# KiCad board analog_frontend_panel.kicad_pcb (continued)
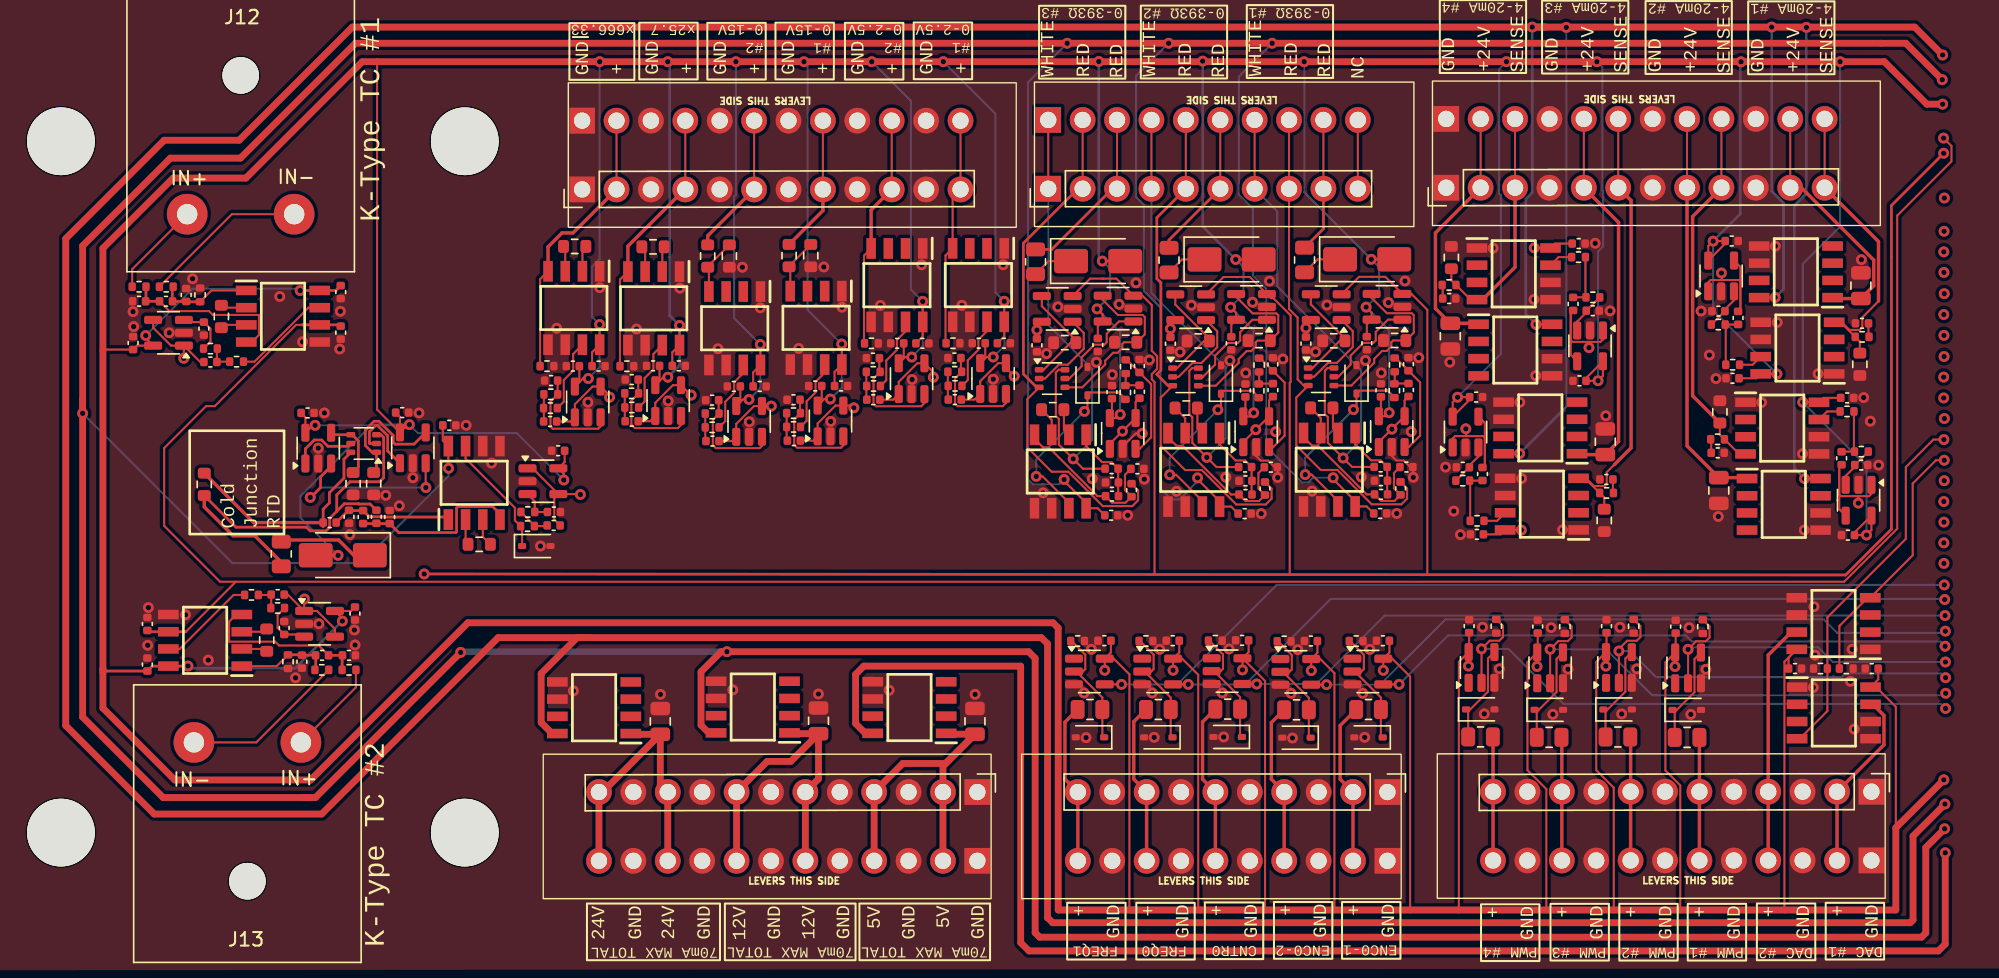
[diagram p0: board, top side]
## Library data of the parts (continued)
R6 R11 R40 R49 R58 R67 R23002 R31001 R45003 = -: LCSC: C346578; ki_fp_filters: R_*
R22 R24 R26 R28 = -: LCSC: C25087; ki_fp_filters: R_*
R23 R25 R27 R29 R32003 = -: LCSC: C2482496; ki_fp_filters: R_*
R44 R47 R53 R56 R62 R65 R71 R74 R23001 R45004 = -: LCSC: C2482678; ki_fp_filters: R_*
R5001 R5002 R8001 R8002 R9001 R9002 = -: LCSC: C25744; ki_fp_filters: R_*
R14001 R14002 R20001 R20002 = -: LCSC: C25741; ki_fp_filters: R_*
R15001 R15002 R16001 R16002 R17001 R17002 R18001 R18002 R21001 R21002 R24001 R24002 R25001 R25002 R30001 R30002 R32001 R32002 R33001 R33002 R44001 R44002 = -: LCSC: C25890; ki_fp_filters: R_*
R19002 R26002 R27002 R33004 R38001 R39001 R39003 R40001 R42001 = -: LCSC: C17720; ki_fp_filters: R_*
U1-U4 = -: LCSC: C190019
U5001 U8001 U9001 U14001 U15001 U16001 U17001 U18001 U20001 U21001 U24001 U25001 U30001 U32001 U33001 U44001 = -: Datasheet: http://www.ti.com/lit/ds/symlink/opa333.pdf; Description: Single 1.8V, microPower, CMOS Operational Amplifiers, Zero-Drift Series, SOT-23-5; ki_fp_filters: SOT?23*
U19001 U26001 U27001 U33002 U38001 U39001 U39002 U40001 U42001 = -: Datasheet: https://www.ti.com/lit/ds/symlink/sn74lvc1g17.pdf; Description: Single Schmitt Buffer Gate, Low-Voltage CMOS; LCSC: C7836; ki_fp_filters: SOT?23* SOT?553* Texas?R-PDSO-G5?DCK* Texas?R-PDSO-N5?DRL* Texas?X2SON*0.8x0.8mm*P0.48mm*

## Footprints (pads in the part's own frame, mm; a bottom-side part is the same pattern mirrored in y, then rotated)
AM-K-PCB
  round 2.7 hole 2.7 unplated: (0,-4)
  round 3 hole 1.5: 1(3.95,-14.25) 2(-3.95,-14.25)
C_0402_1005Metric
  rrect 0.56x0.62 smd: 1(-0.48,0) 2(0.48,0)
C_0805_2012Metric
  rrect 1x1.45 smd: 1(-0.95,0) 2(0.95,0)
D_SMA
  rrect 2.5x1.8 smd: 1(-2,0) 2(2,0)
D_SOD-323
  rrect 0.6x0.45 smd: 1(-1.05,0) 2(1.05,0)
KF141V-2.54-10P
  rect 1.9x1.9 hole 1.2: 1(0,0) 1(5.08,0)
  oval 1.9x1.9 hole 1.2: 2(0,-2.54) 2(5.08,-2.54) 3(0,-5.08) 3(5.08,-5.08) 4(0,-7.62) 4(5.08,-7.62) 5(0,-10.16) 5(5.08,-10.16) 6(0,-12.7) 6(5.08,-12.7) 7(0,-15.24) 7(5.08,-15.24) 8(0,-17.78) 8(5.08,-17.78) 9(0,-20.32) 9(5.08,-20.32) 10(0,-22.86) 10(5.08,-22.86)
KF141V-2.54-12P
  rect 1.9x1.9 hole 1.2: 1(0,0) 1(5.08,0)
  oval 1.9x1.9 hole 1.2: 2(0,-2.54) 2(5.08,-2.54) 3(0,-5.08) 3(5.08,-5.08) 4(0,-7.62) 4(5.08,-7.62) 5(0,-10.16) 5(5.08,-10.16) 6(0,-12.7) 6(5.08,-12.7) 7(0,-15.24) 7(5.08,-15.24) 8(0,-17.78) 8(5.08,-17.78) 9(0,-20.32) 9(5.08,-20.32) 10(0,-22.86) 10(5.08,-22.86) 11(0,-25.4) 11(5.08,-25.4) 12(0,-27.94) 12(5.08,-27.94)
MountingHole_5mm
  round 5 hole 5 unplated: (0,0)
R_0402_1005Metric
  rrect 0.54x0.64 smd: 1(-0.51,0) 2(0.51,0)
R_0603_1608Metric
  rrect 0.8x0.95 smd: 1(-0.825,0) 2(0.825,0)
R_0805_2012Metric
  rrect 1.025x1.4 smd: 1(-0.912,0) 2(0.912,0)
SOIC127P600X175-8N
  rect 1.525x0.7 smd: 1(-2.712,1.905) 2(-2.712,0.635) 3(-2.712,-0.635) 4(-2.712,-1.905) 5(2.712,-1.905) 6(2.712,-0.635) 7(2.712,0.635) 8(2.712,1.905)
SOT-23-5
  rrect 1.325x0.6 smd: 1(-1.137,0.95) 2(-1.137,0) 3(-1.137,-0.95) 4(1.137,-0.95) 5(1.137,0.95)
SOT-363_SC-70-6
  rrect 0.65x0.4 smd: 1(-0.95,0.65) 2(-0.95,0) 3(-0.95,-0.65) 4(0.95,-0.65) 5(0.95,0) 6(0.95,0.65)

## Nets
+1V024: C6.2 C12.2 IC1.6 IC2.6
+2V5: IC13.3 IC14.3 IC16.3 IC17.3 IC19.3 IC20.3 IC22.3 IC23.3
+3V3: C4.1 C10.1 C26.2 C29.2 C32.2 C35.2 C55.1 C58.1 C66.1 C69.1 C77.1 C80.1 C88.1 C91.1 C5003.2 C8003.2 C9003.2 C14003.2 C15003.2 C16003.2 C17003.2 C18003.2 C19001.2 C20003.2 C21003.2 C22001.2 C23001.2 C24003.2 C25003.2 C26001.2 C27001.2 C27004.2 C30003.2 C31001.2 C32004.2 C32005.2 C33004.2 C33005.2 C34002.2 C37001.2 C38001.2 C39001.2 C39002.2 C40001.2 C42001.2 C44003.2 C45001.2 D7.2 D8.2 D9.2 D10.2 IC1.8 IC2.8 IC5.8 IC6.8 IC7.8 IC8.8 IC13.5 IC14.5 IC16.5 IC17.5 IC19.5 IC20.5 IC22.5 IC23.5 IC22001.8 IC23001.8 IC27001.8 IC31001.8 IC32002.8 IC34002.8 IC37001.8 IC45001.8 U5001.5 U8001.5 U9001.5 U14001.5 U15001.5 U16001.5 U17001.5 U18001.5 U19001.5 U20001.5 U21001.5 U24001.5 U25001.5 U26001.5 U27001.5 U30001.5 U32001.5 U33001.5 U33002.5 U38001.5 U39001.5 U39002.5 U40001.5 U42001.5 U44001.5
+5V: IC1001.8
+12V: C52.1 C63.1 C74.1 C85.1 IC12.8 IC15.8 IC18.8 IC21.8 IC1003.8
+24V: IC1002.8 IC32001.8 IC33001.8 IC34001.8 IC35001.8
/4-20mA Frontend1/sallen_key_3kHz3/VIN: IC6.7 R30001.1
/4-20mA Frontend2/sallen_key_3kHz3/VIN: IC7.7 R32001.1
/4-20mA Frontend3/sallen_key_3kHz3/VIN: IC8.7 R33001.1
/4-20mA Frontend/sallen_key_3kHz3/VIN: IC5.7 R16001.1
/ain_0-15V_1/sallen_key_3kHz8/VIN: IC23001.7 R24001.1
/ain_0-15V_1/VIN: J1005.6 R23001.2
/ain_0-15V_/sallen_key_3kHz8/VIN: IC45001.7 R44001.1
/ain_0-15V_/VIN: J1005.8 R45004.2
/ain_g1_1/sallen_key_3kHz7/VIN: IC22001.7 R25001.1
/ain_g1_1/VIN: IC22001.4 J1005.10 R22001.1
/ain_g1_/sallen_key_3kHz7/VIN: IC27001.7 R21001.1
/ain_g1_/VIN: IC27001.4 J1005.12 R27003.1
/ain_g25p7_/sallen_key_1kHz2/VIN: IC31001.7 R9001.1
/ain_g25p7_/VIN: IC31001.4 J1005.4 R31002.1
/ain_g666p333_/sallen_key_100Hz1/VIN: IC32002.7 R14001.2
/ain_g666p333_/VIN: IC32002.4 J1005.2 R32004.1
/K-Type TC Amp1/sallen_key_1kHz/VIN: IC2.7 R8001.1
/K-Type TC Amp/sallen_key_1kHz/VIN: IC1.7 R5001.1
/pwm_in_buf1/VIN: J1003.2 R38001.1
/pwm_in_buf2/VIN: J1003.10 R39003.1
/pwm_in_buf3/VIN: J1003.8 R40001.1
/pwm_in_buf4/VIN: J1003.6 R42001.1
/pwm_in_buf/VIN: J1003.4 R39001.1
GND: C1.2 C3.2 C4.2 C6.1 C7.2 C9.2 C10.2 C12.1 C25.2 C26.1 C28.2 C29.1 C31.2 C32.1 C34.2 C35.1 C49.1 C51.2 C52.2 C55.2 C58.2 C60.1 C62.2 C63.2 C66.2 C69.2 C71.1 C73.2 C74.2 C77.2 C80.2 C82.1 C84.2 C85.2 C88.2 C91.2 C1001.1 C1002.1 C1003.1 C5001.1 C5003.1 C8001.1 C8003.1 C9001.1 C9003.1 C14001.1 C14003.1 C15001.1 C15003.1 C16001.1 C16003.1 C17001.1 C17003.1 C18001.1 C18003.1 C19001.1 C20001.1 C20003.1 C21001.1 C21003.1 C22001.1 C23001.1 C24001.1 C24003.1 C25001.1 C25003.1 C26001.1 C27001.1 C27004.1 C30001.1 C30003.1 C31001.1 C32001.1 C32002.1 C32004.1 C32005.1 C33001.1 C33002.1 C33004.1 C33005.1 C34001.1 C34002.1 C35001.1 C37001.1 C38001.1 C39001.1 C39002.1 C40001.1 C42001.1 C44001.1 C44003.1 C45001.1 D19001.2 D26001.2 D27001.2 D33001.2 D38001.2 D39001.2 D39002.2 D40001.2 D42001.2 D44001.2 D45001.2 D46001.2 D47001.2 IC1.5 IC2.5 IC5.1 IC5.5 IC5.6 IC6.1 IC6.5 IC6.6 IC7.1 IC7.5 IC7.6 IC8.1 IC8.5 IC8.6 IC12.5 IC12.6 IC13.2 IC14.2 IC15.5 IC15.6 IC16.2 IC17.2 IC18.5 IC18.6 IC19.2 IC20.2 IC21.5 IC21.6 IC22.2 IC23.2 IC1001.5 IC1001.6 IC1002.5 IC1002.6 IC1003.5 IC1003.6 IC22001.1 IC22001.5 IC22001.6 IC23001.1 IC23001.5 IC23001.6 IC27001.1 IC27001.5 IC27001.6 IC31001.1 IC31001.5 IC31001.6 IC32001.5 IC32001.6 IC32002.1 IC32002.5 IC32002.6 IC33001.5 IC33001.6 IC34001.5 IC34001.6 IC34002.1 IC34002.5 IC34002.6 IC35001.5 IC35001.6 IC37001.1 IC37001.5 IC37001.6 IC45001.1 IC45001.5 IC45001.6 J1001.1 J1001.3 J1001.5 J1001.7 J1001.9 J1001.11 J1003.1 J1003.3 J1003.5 J1003.7 J1003.9 J1004.1 J1004.4 J1004.7 J1004.10 J1005.1 J1005.3 J1005.5 J1005.7 J1005.9 J1005.11 J1007.1 J1007.3 J1007.5 J1007.7 J1007.9 J1007.11 R4.2 R9.2 R23.1 R25.1 R27.1 R29.1 R44.2 R47.2 R53.2 R56.2 R62.2 R65.2 R71.2 R74.2 R19001.2 R22001.2 R23002.2 R26001.2 R27001.2 R27003.2 R31002.2 R32004.2 R33003.2 R34001.2 R37001.2 R38002.2 R39002.2 R39004.2 R40002.2 R42002.2 R45003.2 U5001.2 U8001.2 U9001.2 U14001.2 U15001.2 U16001.2 U17001.2 U18001.2 U19001.3 U20001.2 U21001.2 U24001.2 U25001.2 U26001.3 U27001.3 U30001.2 U32001.2 U33001.2 U33002.3 U38001.3 U39001.3 U39002.3 U40001.3 U42001.3 U44001.2
/4-20mA Frontend1/+24_EXC: C33001.2 IC33001.1 J1004.8
/4-20mA Frontend1/SIGNAL: IC6.4 J1004.9 R24.2 R25.2
/4-20mA Frontend2/+24_EXC: C34001.2 IC34001.1 J1004.5
/4-20mA Frontend2/SIGNAL: IC7.4 J1004.6 R26.2 R27.2
/4-20mA Frontend3/+24_EXC: C35001.2 IC35001.1 J1004.2
/4-20mA Frontend3/SIGNAL: IC8.4 J1004.3 R28.2 R29.2
/4-20mA Frontend/+24_EXC: C32001.2 IC32001.1 J1004.11
/4-20mA Frontend/SIGNAL: IC5.4 J1004.12 R22.2 R23.2
/AIN2: C20002.2 U20001.1 U20001.4
/AIN3: C16002.2 U16001.1 U16001.4
/AIN4: C30002.2 U30001.1 U30001.4
/AIN5: C32003.2 U32001.1 U32001.4
/AIN6: C33003.2 U33001.1 U33001.4
/AIN7: C15002.2 U15001.1 U15001.4
/AIN8: C17002.2 U17001.1 U17001.4
/AIN9: C18002.2 U18001.1 U18001.4
/AIN10: C5002.2 U5001.1 U5001.4
/AIN11: C8002.2 U8001.1 U8001.4
/AIN12: C21002.2 U21001.1 U21001.4
/AIN13_DAC0: IC37001.4 R37001.1
/AIN14_DAC1: IC34002.4 R34001.1
/AIN15: C25002.2 U25001.1 U25001.4
/AIN16: C44002.2 U44001.1 U44001.4
/AIN17: C24002.2 U24001.1 U24001.4
/AIN18: C9002.2 U9001.1 U9001.4
/AIN19: C14002.2 U14001.1 U14001.4
/COUNTER0: U42001.4
/dac_buf1/VOUT: IC34002.7 J1001.4
/dac_buf/VOUT: IC37001.7 J1001.2
/ENCODER0_0: U38001.4
/ENCODER0_1: U39001.4
/FREQ0: U40001.4
/FREQ1: U39002.4
/K-Type TC Amp1/Signal+: C7.1 C8.1 IC2.4 R7.2
/K-Type TC Amp1/Signal-: C8.2 C9.1 IC2.1 R8.1 R9.1
/K-Type TC Amp/Signal+: C1.1 C2.1 IC1.4 R2.2
/K-Type TC Amp/Signal-: C2.2 C3.1 IC1.1 R3.1 R4.1
/PWM0: R33003.1 U33002.2
/PWM1: R19001.1 U19001.2
/PWM2: R26001.1 U26001.2
/PWM3: R27001.1 U27001.2
/pwm_out_buf1/VOUT: J1001.8 R19002.2
/pwm_out_buf2/VOUT: J1001.10 R26002.2
/pwm_out_buf3/VOUT: J1001.12 R27002.2
/pwm_out_buf/VOUT: J1001.6 R33004.2
/RTD Amp1/R+: J1006.6 R59.2
/RTD Amp1/R-: J1006.5 R60.2 U3.3
/RTD Amp1/rtd_amp_inner/Signal+: C71.2 C72.1 IC18.4 R60.1
/RTD Amp1/rtd_amp_inner/Signal-: C72.2 C73.1 IC18.1 R61.1
/RTD Amp1/rtd_amp_inner/Vout: D46001.1 IC18.7 R17001.1
/RTD Amp1/W-: J1006.4 R61.2 U3.6
/RTD Amp2/R+: J1006.3 R68.2
/RTD Amp2/R-: J1006.2 R69.2 U4.3
/RTD Amp2/rtd_amp_inner/Signal+: C82.2 C83.1 IC21.4 R69.1
/RTD Amp2/rtd_amp_inner/Signal-: C83.2 C84.1 IC21.1 R70.1
/RTD Amp2/rtd_amp_inner/Vout: D47001.1 IC21.7 R18001.1
/RTD Amp2/W-: J1006.1 R70.2 U4.6
/RTD Amp/R+: J1006.9 R41.2
/RTD Amp/R-: J1006.8 R42.2 U1.3
/RTD Amp/rtd_amp_inner/Signal+: C49.2 C50.1 IC12.4 R42.1
/RTD Amp/rtd_amp_inner/Signal-: C50.2 C51.1 IC12.1 R43.1
/RTD Amp/rtd_amp_inner/Vout: D45001.1 IC12.7 R15001.1
/RTD Amp/W-: J1006.7 R43.2 U1.6
/rtd_amp_inner1/250uA_SINK_1: R1.1 R52.2 U2.6
/rtd_amp_inner1/250uA_SINK_2: R1.2 R50.2 R51.2 U2.3
/rtd_amp_inner1/Signal+: C60.2 C61.1 IC15.4 R51.1
/rtd_amp_inner1/Signal-: C61.2 C62.1 IC15.1 R52.1
/rtd_amp_inner1/Vout: D44001.1 IC15.7 R20002.2
Net-(C25-Pad1): C25.1 R22.1
Net-(C28-Pad1): C28.1 R24.1
Net-(C31-Pad1): C31.1 R26.1
Net-(C34-Pad1): C34.1 R28.1
Net-(C5002-Pad1): C5002.1 R5001.2 R5002.1
Net-(C8002-Pad1): C8002.1 R8001.2 R8002.1
Net-(C9002-Pad1): C9002.1 R9001.2 R9002.1
Net-(C14002-Pad1): C14002.1 R14001.1 R14002.2
Net-(C15002-Pad1): C15002.1 R15001.2 R15002.1
Net-(C16002-Pad1): C16002.1 R16001.2 R16002.1
Net-(C17002-Pad1): C17002.1 R17001.2 R17002.1
Net-(C18002-Pad1): C18002.1 R18001.2 R18002.1
Net-(C20002-Pad1): C20002.1 R20001.2 R20002.1
Net-(C21002-Pad1): C21002.1 R21001.2 R21002.1
Net-(C24002-Pad1): C24002.1 R24001.2 R24002.1
Net-(C25002-Pad1): C25002.1 R25001.2 R25002.1
Net-(C30002-Pad1): C30002.1 R30001.2 R30002.1
Net-(C32003-Pad1): C32003.1 R32001.2 R32002.1
Net-(C33003-Pad1): C33003.1 R33001.2 R33002.1
Net-(C44002-Pad1): C44002.1 R44001.2 R44002.1
Net-(D7-K): D7.1 R41.1
Net-(D8-K): D8.1 R50.1
Net-(D9-K): D9.1 R59.1
Net-(D10-K): D10.1 R68.1
Net-(D19001-K): D19001.1 R19002.1 U19001.4
Net-(D26001-K): D26001.1 R26002.1 U26001.4
Net-(D27001-K): D27001.1 R27002.1 U27001.4
Net-(D33001-K): D33001.1 R33004.1 U33002.4
Net-(D38001-K): D38001.1 R38001.2 R38002.1 U38001.2
Net-(D39001-K): D39001.1 R39001.2 R39002.1 U39001.2
Net-(D39002-K): D39002.1 R39003.2 R39004.1 U39002.2
Net-(D40001-K): D40001.1 R40001.2 R40002.1 U40001.2
Net-(D42001-K): D42001.1 R42001.2 R42002.1 U42001.2
Net-(IC1-RG_1): IC1.2 R6.1
Net-(IC1-RG_2): IC1.3 R6.2
Net-(IC2-RG_1): IC2.2 R11.1
Net-(IC2-RG_2): IC2.3 R11.2
Net-(IC12-RG_1): IC12.2 R40.1
Net-(IC12-RG_2): IC12.3 R40.2
Net-(IC13--IN): IC13.4 R44.1 U1.1
Net-(IC13-OUT): IC13.1 U1.2
Net-(IC14--IN): IC14.4 R47.1 U1.4
Net-(IC14-OUT): IC14.1 U1.5
Net-(IC15-RG_1): IC15.2 R49.1
Net-(IC15-RG_2): IC15.3 R49.2
Net-(IC16--IN): IC16.4 R53.1 U2.1
Net-(IC16-OUT): IC16.1 U2.2
Net-(IC17--IN): IC17.4 R56.1 U2.4
Net-(IC17-OUT): IC17.1 U2.5
Net-(IC18-RG_1): IC18.2 R58.1
Net-(IC18-RG_2): IC18.3 R58.2
Net-(IC19--IN): IC19.4 R62.1 U3.1
Net-(IC19-OUT): IC19.1 U3.2
Net-(IC20--IN): IC20.4 R65.1 U3.4
Net-(IC20-OUT): IC20.1 U3.5
Net-(IC21-RG_1): IC21.2 R67.1
Net-(IC21-RG_2): IC21.3 R67.2
Net-(IC22--IN): IC22.4 R71.1 U4.1
Net-(IC22-OUT): IC22.1 U4.2
Net-(IC23--IN): IC23.4 R74.1 U4.4
Net-(IC23-OUT): IC23.1 U4.5
Net-(IC1001-VO): C1001.2 IC1001.1 J1007.2 J1007.4
Net-(IC1002-VO): C1002.2 IC1002.1 J1007.10 J1007.12
Net-(IC1003-VO): C1003.2 IC1003.1 J1007.6 J1007.8
Net-(IC23001-+IN): IC23001.4 R23001.1 R23002.1
Net-(IC31001-RG_1): IC31001.2 R31001.1
Net-(IC31001-RG_2): IC31001.3 R31001.2
Net-(IC32002-RG_1): IC32002.2 R32003.1
Net-(IC32002-RG_2): IC32002.3 R32003.2
Net-(IC45001-+IN): IC45001.4 R45003.1 R45004.1
Net-(J12-Pin_1): J12.1 R3.2
Net-(J12-Pin_2): J12.2 R2.1
Net-(J13-Pin_1): J13.1 R8.2
Net-(J13-Pin_2): J13.2 R7.1
Net-(U5001-+): C5001.2 R5002.2 U5001.3
Net-(U8001-+): C8001.2 R8002.2 U8001.3
Net-(U9001-+): C9001.2 R9002.2 U9001.3
Net-(U14001-+): C14001.2 R14002.1 U14001.3
Net-(U15001-+): C15001.2 R15002.2 U15001.3
Net-(U16001-+): C16001.2 R16002.2 U16001.3
Net-(U17001-+): C17001.2 R17002.2 U17001.3
Net-(U18001-+): C18001.2 R18002.2 U18001.3
Net-(U20001-+): C20001.2 R20001.1 U20001.3
Net-(U21001-+): C21001.2 R21002.2 U21001.3
Net-(U24001-+): C24001.2 R24002.2 U24001.3
Net-(U25001-+): C25001.2 R25002.2 U25001.3
Net-(U30001-+): C30001.2 R30002.2 U30001.3
Net-(U32001-+): C32002.2 R32002.2 U32001.3
Net-(U33001-+): C33002.2 R33002.2 U33001.3
Net-(U44001-+): C44001.2 R44002.2 U44001.3

Pads without a net: IC5 2 3; IC6 2 3; IC7 2 3; IC8 2 3; IC1001 2 3 4 7; IC1002 2 3 4 7; IC1003 2 3 4 7; IC22001 2 3; IC23001 2 3; IC27001 2 3; IC32001 2 3 4 7; IC33001 2 3 4 7; IC34001 2 3 4 7; IC34002 2 3; IC35001 2 3 4 7; IC37001 2 3; IC45001 2 3; J1006 10; U19001 1; U26001 1; U27001 1; U33002 1; U38001 1; U39001 1; U39002 1; U40001 1; U42001 1

## Via types
v1: diameter 0.8, hole 0.4, Top to Bottom, 301 vias

## Routing (per net, layer and track width the routed paths; a pad name or vN(x,y) marks a point on that pad's centre or on a via; arc(x,y) is an arc through that point)
+1V024: length 194
  Top w0.15: IC1.6 17.36,45.09 11.36,39.09 10.72,39.09 7.62,35.99 7.62,30.25 11.75,26.12 12.91,26.12 ; 12.91,26.12 131.67,26.12 135.59,30.04 135.59,53.16 139.59,57.16 139.59,58.29 v1(139.01,58.88) ; 12.91,26.12 9.22,22.43
  Top w0.2: C12.2 6.48,22.42 IC2.6 9.22,22.42 9.22,22.43 ; 17.81,45.08 17.82,45.09 IC1.6 20.56,45.09 C6.2
+2V5: length 252.8
  Top w0.15: 26.95,33.12 27,33.07 v1(26.95,33.07) 26.95,33.12 ; 26.95,33.12 26.93,33.14 IC16.3 ; 100.86,26.64 100.89,26.66 100.89,46.2 99.72,47.37 IC14.3 97.79,48.63 95.85,48.63 IC13.3 ; 80.7,26.65 80.75,26.7 80.75,40.86 80.54,41.07 80.54,41.44 80.94,41.84 80.94,42.78 80.54,43.18 80.54,46.55 79.85,47.24 IC23.3 77.93,48.5 75.99,48.5 IC22.3 ; 86.82,48.62 86.85,48.6 ; 90.73,26.64 90.73,40.8 90.8,40.87 90.8,45.79 89.52,47.06 89.35,47.06 IC20.3 87.78,48.62 85.84,48.62 IC19.3 ; 76.97,48.5 76.99,48.47 ; 96.83,48.63 96.85,48.61
  Top w0.2: IC17.3 19.95,34.63 19.17,33.86 19.17,33.07 18.45,32.35 v1(18.41,32.35) ; 26.82,26.61 v1(26.82,26.69) 80.7,26.65 100.86,26.64 131.78,26.61 135.15,29.99 135.15,53.9 v1(139.02,57.76)
  In2.Cu w0.15: v1(26.95,33.07) 26.95,26.81 v1(26.82,26.69) 23.43,26.69 18.41,31.71 v1(18.41,32.35)
  Bottom w0.15: v1(26.95,33.07) 26.94,33.07 19.13,33.07 v1(18.41,32.35)
+3V3: length 1176.2
  Top w0.15: 103.17,1.87 103.22,1.92 103.22,20.2 U27001.5 ; IC13.5 91.93,45.09 v1(91.93,44.85) C55.1 ; C69.1 18.05,38.26 IC17.5 18.6,37.67 v1(18.77,37.67) ; v1(51.64,43.64) 51.65,43.63 IC23001.8 51.11,41.58 C23001.2 ; D9.2 v1(86.74,49.92) ; C91.1 76.56,44.98 IC23.5 76.92,45.86 v1(76.51,46.26) ; v1(44.81,41.22) 44.47,41.22 U9001.5 44.2,40.94 C9003.2 ; 114.07,19.91 114.09,19.92 U19001.5 ; C80.1 86.41,45.1 IC20.5 86.77,45.98 v1(86.36,46.39) ; 119.18,19.88 119.19,19.89 U33002.5 ; v1(50.8,39.58) 50.34,39.58 U24001.5 50.16,39.4 C24003.2 ; IC16.5 23.34,38.83 23.34,64.52 ; IC16.5 25.03,38.29 C66.1 ; IC16.5 25.61,37.72 v1(25.73,37.72) ; C38001.2 98.09,20.89 U38001.5 ; U42001.5 88.91,18.8 88.91,1.89 88.93,1.87 ; U42001.5 v1(87.24,19.6) ; U42001.5 87.69,20.92 C42001.2 ; C35.2 110.31,51.09 IC8.8 ; C58.1 96.42,45.12 IC14.5 96.78,45.99 v1(96.37,46.4) ; C45001.2 57.12,41.61 IC45001.8 57.66,43.66 v1(57.65,43.67) ; C19001.2 114.12,20.95 U19001.5 ; U38001.5 v1(97.64,19.57) ; U38001.5 98.3,20.43 99.62,19.11 99.62,1.87 ; v1(63.63,46.82) IC22001.8 63.63,44.23 C22001.2 ; 108.99,19.88 109.01,19.9 U26001.5 ; U27001.5 103.94,19.93 103.93,19.91 ; U27001.5 103.98,20.96 C27001.2 ; IC7.8 106.31,29.61 C32.2 ; IC7.8 106.19,29.94 ; IC7.8 106.65,29.93 v1(107.83,29.93) ; U39001.5 92.78,20.87 C39001.2 ; U39001.5 92.98,20.41 94.03,19.36 94.03,1.87 ; U39001.5 v1(92.32,19.55) ; U33002.5 119.23,20.92 C33005.2 ; U33002.5 118.47,20.16 118.47,12.18 119.57,11.08 119.57,1.88 119.56,1.87 ; v1(69.65,46.83) IC27001.8 69.65,44.24 C27004.2 ; 130.25,39.37 IC6.8 ; IC6.8 129.8,39.38 v1(128.61,39.38) ; IC6.8 130.14,39.69 C29.2 ; C26.2 125.18,41.14 IC5.8 ; C18003.2 77.6,38.36 U18001.5 77.95,38.21 v1(78.21,38.47) ; 84.12,1.87 83.97,2.03 83.97,19.25 82.78,20.44 U40001.5 ; v1(98.07,38.6) 97.81,38.34 U15001.5 97.46,38.49 C15003.2 ; 125.06,41.47 IC5.8 ; IC5.8 125.52,41.46 v1(126.7,41.46) ; C37001.2 134.18,18.9 IC37001.8 134.03,18.33 135.48,16.88 135.48,7.95 ; v1(20.78,23.21) 20.78,23.41 20.23,23.96 21.42,23.96 C8003.2 ; U19001.5 113.36,20.2 113.36,12.2 114.66,10.91 114.66,1.87 ; v1(88.07,38.59) 87.81,38.33 U17001.5 87.46,38.48 C17003.2 ; v1(108.78,50.77) 109.97,50.77 IC8.8 ; 3.1,43.2 3.16,43.26 C5003.2 5.62,43.55 U5001.5 6.26,44.1 v1(6.26,44.3) ; C21003.2 68.25,42.63 U21001.5 68.33,42.71 v1(68.84,42.71) ; C14003.2 38.28,40.86 U14001.5 38.54,41.12 v1(38.94,41.12) ; 109.68,1.87 109.68,10.81 108.28,12.2 108.28,20.17 U26001.5 ; C88.1 v1(72.06,44.7) 72.06,44.95 IC22.5 ; v1(62.82,42.71) 62.32,42.71 U25001.5 62.23,42.62 C25003.2 ; U39002.5 v1(77.07,19.58) ; U39002.5 77.53,20.89 C39002.2 ; U39002.5 77.73,20.44 78.89,19.28 78.89,1.9 78.92,1.87 ; 127.28,1.87 127.26,1.9 127.26,20.21 IC34002.8 127.56,20.52 C34002.2 ; U26001.5 109.04,20.93 C26001.2 ; C32005.2 39.22,43.06 IC32002.8 v1(39.78,45.11) ; 110.42,50.76 IC8.8 ; C20003.2 37.19,34.95 U20001.5 37.13,34.08 v1(37.13,33.63) ; C77.1 v1(81.92,44.8) 81.92,45.07 IC19.5 ; D7.2 v1(96.75,49.93) ; U40001.5 82.57,20.89 C40001.2 ; U40001.5 v1(82.12,19.58) ; C31001.2 45.14,43.06 IC31001.8 45.67,45.03 ; C44003.2 56.17,39.43 U44001.5 56.35,39.61 v1(56.81,39.61) ; D10.2 v1(76.89,49.8) ; 121.63,50.91 v1(121.99,51.27) 122,51.28 C16003.2 122.88,51.09 U16001.5 121.63,50.91 ; 102.76,39.38 v1(103.12,39.74) 103.13,39.75 C32004.2 104.01,39.56 U32001.5 102.76,39.38 ; U30001.5 133.68,29.93 v1(133.32,29.56) 133.31,29.56 C30003.2 132.43,29.75 U30001.5 ; 112.6,41.14 C33004.2 113.48,40.95 v1(113.49,40.96) 113.85,41.32 U33001.5 112.6,41.14
  Top w0.2: C4.1 20.3,47.63 IC1.8 17.67,47.63 v1(17.66,47.62) ; 3.1,19.4 3.22,19.52 C10.1 6.74,19.88 IC2.8 9.37,19.88 v1(9.38,19.89)
  Top w0.25: v1(20.46,28.06) 20.45,28.07 D8.2
  Top w0.5: 3.1,19.68 3.1,19.4 ; 3.1,19.68 3.1,50.74 8.28,55.93 13.66,55.93 22.25,64.52 v1(39.78,64.52) v1(44.81,64.52) v1(49.83,64.52) v1(54.86,64.52) v1(59.87,64.52) v1(65.15,64.52) v1(91.8,64.52) v1(106.73,64.52) v1(113.41,64.52) v1(131.37,64.52) 134.64,64.52 137.77,61.38 v1(138.94,61.38) ; 3.1,19.68 3.1,16.78 8.41,11.48 18.44,11.48 30.05,23.08 73.25,23.08 73.63,22.7 73.63,1.87 79.25,1.87 ; v1(139.03,11.49) 135.48,7.95 135.48,1.87 79.25,1.87 ; 79.25,1.87 78.92,1.87
  In2.Cu w0.15: v1(103.12,39.74) 103.12,34.64 v1(107.83,29.93) ; v1(72.06,44.7) 74.94,44.7 v1(76.51,46.26) ; v1(91.93,44.85) 94.83,44.85 v1(96.37,46.4) ; v1(81.92,44.8) 84.78,44.8 v1(86.36,46.39) ; v1(108.78,50.77) 113.49,46.06 v1(113.49,40.96)
  Bottom w0.15: v1(54.86,64.52) 55.14,64.25 55.14,46.18 v1(57.65,43.67) 57.65,40.45 v1(56.81,39.61) ; v1(113.41,64.52) 113.82,64.11 113.82,55.01 113.87,54.96 113.87,50.88 113.49,50.51 v1(113.49,40.96) ; v1(25.73,37.72) 25.68,37.67 v1(18.77,37.67) ; v1(25.73,37.72) 22.96,37.72 17.68,32.43 17.68,30.85 v1(20.46,28.06) ; v1(25.73,37.72) 26.35,37.09 33.67,37.09 v1(37.13,33.63) ; v1(103.12,39.74) 106.32,42.94 106.32,54.67 106.2,54.79 106.2,63.99 v1(106.73,64.52) ; v1(88.07,38.59) 88.07,44.68 v1(86.36,46.39) 87.32,47.34 87.32,49.34 v1(86.74,49.92) ; v1(65.15,64.52) 69,60.68 69,47.48 v1(69.65,46.83) 69.65,43.53 v1(68.84,42.71) ; v1(133.32,29.56) 133.32,34.66 v1(128.61,39.38) 128.61,49.59 131.37,52.34 v1(131.37,64.52) ; v1(91.8,64.52) 91.8,64.51 91.8,54.88 v1(96.75,49.93) 97.33,49.35 97.33,47.35 v1(96.37,46.4) 98.07,44.69 v1(98.07,38.6) ; v1(59.87,64.52) 62.76,61.63 62.76,47.7 v1(63.63,46.82) 63.63,43.52 v1(62.82,42.71) ; v1(6.26,44.3) 9.72,47.76 17.52,47.76 v1(17.66,47.62) ; v1(126.7,41.46) 121.99,46.17 v1(121.99,51.27) ; v1(49.83,64.52) 49.83,54.69 49.7,54.56 49.7,45.58 v1(51.64,43.64) 51.64,40.41 v1(50.8,39.58) ; v1(39.78,64.52) 39.78,49.95 39.21,49.38 39.21,45.68 v1(39.78,45.11) 39.78,41.96 v1(38.94,41.12) ; v1(78.21,38.47) 78.21,44.56 v1(76.51,46.26) 77.46,47.22 77.46,49.22 v1(76.89,49.8)
  Bottom w0.2: v1(76.89,49.8) 76.63,50.05 v1(76.63,64.54) ; v1(86.74,49.92) 84.3,52.36 v1(84.3,64.56) ; v1(44.81,64.52) 44.95,64.38 44.95,45.77 v1(45.68,45.04) 45.68,42.09 v1(44.81,41.22) ; v1(9.38,19.89) 9.54,19.73 17.29,19.73 v1(20.78,23.21) ; v1(121.99,51.27) 124,53.27 124,64.45 v1(124.05,64.51)
  vias: v1(103.93,19.89) v1(108.99,19.86) v1(114.07,19.88) v1(119.18,19.85)
+5V: length 113.5
  Top w0.5: v1(139.13,6.1) 139.13,-0.64 138.62,-1.15 71.48,-1.15 70.87,-0.54 70.87,19.88 59.28,19.88 58.67,19.28 58.67,15.64 59.4,14.92 IC1001.8
+12V: length 524.9
  Top w0.15: C63.1 28.2,36.55 IC15.8 28.61,34.51 v1(28.62,34.49) ; v1(83.93,33.79) 83.93,33.69 85.55,32.06 IC18.8 86.4,31.67 C74.1 ; C52.1 96.41,31.68 IC12.8 95.56,32.07 93.93,33.7 v1(93.93,33.8) ; v1(74.07,33.67) 74.07,33.56 75.7,31.94 IC21.8 76.55,31.54 C85.1
  Top w0.5: 17.86,10.18 18.8,10.18 v1(29.51,20.9) ; 17.86,10.18 18.42,10.18 ; 17.86,10.18 7.54,10.18 1.6,16.12 1.6,39.59 ; v1(138.91,63.19) 136.22,65.88 v1(89.43,65.88) v1(81.79,65.88) v1(74.3,65.88) 21.74,65.88 13.26,57.4 8.08,57.4 1.6,50.92 1.6,39.59 ; 1.6,39.59 v1(1.6,38.55) ; IC1003.8 47.83,14.96 47.26,15.53 47.26,19.47 48.75,20.95 71.45,20.95 71.93,20.47 71.93,0.2 72.26,-0.13 137.39,-0.13 137.69,0.17 137.69,6.49 v1(139.08,7.87)
  Bottom w0.15: v1(1.6,38.55) 12.66,27.49 22.18,27.49 28.62,33.93 v1(28.62,34.49) ; v1(74.3,65.88) 71.4,62.99 71.4,33.69 71.77,33.32 73.72,33.32 v1(74.07,33.67) ; v1(89.43,65.88) 86.97,63.42 86.97,54.72 88.01,53.67 88.01,48.73 89,47.74 89,36.09 91.64,33.45 92.11,33.45 92.46,33.8 v1(93.93,33.8) ; v1(83.93,33.79) 83.93,33.53 82.59,32.2 81.99,32.2 81.22,32.98 81.22,34.86 81.2,34.87 81.2,46.35 79.95,47.6 79.95,53.96 79.39,54.52 79.39,63.49 v1(81.79,65.88)
  Bottom w0.5: v1(29.51,20.9) 29.57,20.95 v1(49.17,20.95)
+24V: length 482.1
  Top w0.15: IC35001.8 108.92,45.13 v1(108.91,45.12) ; v1(128.74,33.72) 128.75,33.74 IC33001.8 ; v1(126.57,47.11) 126.56,47.1 IC32001.8 ; v1(107.7,35.58) 107.69,35.57 IC34001.8
  Top w0.5: 39.07,21.99 32.28,21.99 19.25,8.96 6.88,8.96 0.36,15.49 0.36,51.46 7.62,58.72 13.16,58.72 21.51,67.08 109.63,67.08 ; 39.07,21.99 72.39,21.99 72.85,21.53 72.85,1.29 72.87,1.29 73.23,0.93 136.55,0.93 136.75,1.14 136.75,7.34 139.11,9.69 v1(139.11,9.7) ; 39.07,21.99 38.12,21.99 35.46,19.33 35.46,15.72 36.27,14.9 IC1002.8 ; v1(138.94,65.02) 136.88,67.08 109.63,67.08 ; 109.63,67.08 v1(108.64,67.08)
  Bottom w0.15: v1(111.15,67.05) 111.15,39.03 111.03,38.9
  Bottom w0.2: v1(126.31,67.08) 126.31,54.96 127.19,54.08 127.19,47.72 v1(126.57,47.11) ; v1(107.7,35.58) 111.03,38.9 ; v1(128.88,67.05) 128.88,54.78 127.99,53.89 127.99,34.47 v1(128.74,33.72) ; 111.3,67.05 111.3,67.04 ; v1(108.91,45.12) 108.17,45.87 108.17,54.39 108.64,54.86 v1(108.64,67.08)
/4-20mA Frontend1/sallen_key_3kHz3/VIN: length 2.2
  Top w0.15: 130.22,38.09 IC6.7 130.41,38.69 R30001.1
/4-20mA Frontend2/sallen_key_3kHz3/VIN: length 2.2
  Top w0.15: R32001.1 106.04,30.61 IC7.7 106.22,31.21
/4-20mA Frontend3/sallen_key_3kHz3/VIN: length 2.2
  Top w0.15: 110.39,49.49 IC8.7 110.58,50.09 R33001.1
/4-20mA Frontend/sallen_key_3kHz3/VIN: length 2.2
  Top w0.15: 125.09,42.74 IC5.7 124.91,42.14 R16001.1
/ain_0-15V_1/sallen_key_3kHz8/VIN: length 5.3
  Top w0.15: IC23001.7 50.38,41.52 49.71,40.85 49.71,40.07 49.05,39.41 49.05,37.97 R24001.1
/ain_0-15V_1/VIN: length 10.6
  Top w0.15: J1005.6 J1005.6
  Top w0.25: R23001.2 47.75,51.66 J1005.6
/ain_0-15V_/sallen_key_3kHz8/VIN: length 5.3
  Top w0.15: R44001.1 55.06,38.01 55.06,39.44 55.72,40.1 55.72,40.88 56.39,41.55 IC45001.7
/ain_0-15V_/VIN: length 10.2
  Top w0.15: J1005.8 J1005.8
  Top w0.25: R45004.2 56.26,53.52 J1005.8
/ain_g1_1/sallen_key_3kHz7/VIN: length 5.5
  Top w0.15: R25001.1 60.94,41 60.94,42.46 61.72,43.24 61.72,43.98 62.36,44.61 IC22001.7
/ain_g1_1/VIN: length 17.3
  Top w0.15: R22001.1 59.3,43.76 59.3,50.2 IC22001.4 ; J1005.10 J1005.10
  Top w0.25: J1005.10 59.82,53.57 IC22001.4
/ain_g1_/sallen_key_3kHz7/VIN: length 5.5
  Top w0.15: IC27001.7 68.38,44.62 67.74,43.98 67.74,43.25 66.96,42.46 66.96,41.01 R21001.1
/ain_g1_/VIN: length 16.9
  Top w0.15: J1005.12 J1005.12 65.84,54.51 IC27001.4 65.31,50.21 65.31,43.77 R27003.1
/ain_g25p7_/sallen_key_1kHz2/VIN: length 5.3
  Top w0.15: IC31001.7 43.74,42.93 43.74,41.8 43.1,41.16 43.1,39.43 R9001.1
/ain_g25p7_/VIN: length 20.2
  Top w0.15: J1005.4 J1005.4 ; IC31001.4 41.28,48.43 R31002.1
  Top w0.25: IC31001.4 41.86,50.9 46.05,55.09 J1005.4
/ain_g666p333_/sallen_key_100Hz1/VIN: length 5.4
  Top w0.15: IC32002.7 37.82,42.94 37.82,41.71 37.13,41.01 37.13,39.42 R14001.2
/ain_g666p333_/VIN: length 20.9
  Top w0.15: IC32002.4 35.38,48.46 R32004.1 ; J1005.2 J1005.2
  Top w0.25: J1005.2 37.81,51.88 37,51.88 35.97,50.84 IC32002.4
/K-Type TC Amp1/sallen_key_1kHz/VIN: length 7.3
  Top w0.15: IC2.7 8.76,21.15 12.75,25.14 R8001.1
/K-Type TC Amp/sallen_key_1kHz/VIN: length 7.3
  Top w0.15: R5001.1 14.29,42.37 18.28,46.36 IC1.7
/pwm_in_buf1/VIN: length 12.1
  Top w0.25: R38001.1 94.45,15.5 94.45,11.54 J1003.2 J1003.2
/pwm_in_buf2/VIN: length 12
  Top w0.25: J1003.10 J1003.10 74.13,11.54 74.13,15.75 R39003.1
/pwm_in_buf3/VIN: length 11.9
  Top w0.25: J1003.8 J1003.8 79.21,11.54 79.21,15.78 R40001.1
/pwm_in_buf4/VIN: length 12
  Top w0.25: J1003.6 J1003.6 84.29,11.54 84.29,15.76 R42001.1
/pwm_in_buf/VIN: length 11.9
  Top w0.25: R39001.1 89.37,15.71 89.37,11.54 J1003.4 J1003.4
GND: length 8.9
  Top w0.15: U15001.2 98.26,35.4 98.59,35.07 99.14,35.07 99.85,34.36 v1(99.85,33.82) ; U17001.2 88.25,35.39 88.59,35.06 89.13,35.06 89.84,34.35 v1(89.84,33.81) ; v1(79.84,37.07) 79.36,37.07 78.4,36.11 U18001.2
  Top w0.25: 59.97,18.97 59.56,18.97
  vias: v1(5.32,46.06) v1(5.37,44.96) v1(6.46,24.21) v1(6.41,21.42) v1(7.99,44.5) v1(9.2,23.67) v1(9.72,48.49) v1(10.88,20.33) v1(16.16,47.18) v1(17.32,19.02) v1(17.84,43.83) v1(19,35.98) v1(19.04,23.01) v1(19.45,38.58) v1(20.58,43.3) v1(20.63,46.09) v1(21.34,29.6) v1(21.67,22.55) v1(21.72,21.45) v1(23.99,32.5) v1(24.99,31.72) v1(25.99,33.8) v1(26.44,38.58) v1(29.92,37.67) v1(31.8,34.87) v1(35.4,28.75) v1(36.61,44.83) v1(37.84,18.05) v1(38.91,39.37) v1(39.78,47.83) v1(42.5,44.78) v1(44.27,17.8) v1(44.84,39.47) v1(45.7,47.8) v1(48.52,43.32) v1(49.61,18.13) v1(50.32,49.34) v1(50.83,37.93) v1(51.64,46.34) v1(54.47,43.34) v1(55.93,17.83) v1(56.33,49.36) v1(56.84,37.96) v1(57.67,46.39) v1(60.5,46.52) v1(61.15,18.11) v1(62.84,41.05) v1(63.55,49.52) v1(66.52,46.53) v1(67.5,17.8) v1(68.84,41.07) v1(69.57,49.53) v1(72.52,32.68) v1(72.77,42.96) v1(73.61,46.42) v1(75.54,17.9) v1(75.69,14.6) v1(76.08,21.13) v1(76.15,33.72) v1(76.46,42.33) v1(77.63,41.41) v1(78.13,46.6) v1(78.77,31.02) v1(79.38,48.19) v1(79.99,33.69) v1(80.37,42.49) v1(80.57,17.9) v1(80.72,14.63) v1(81.13,21.13) v1(82.38,32.8) v1(82.63,43.08) v1(83.47,46.54) v1(85.75,17.9) v1(85.85,14.65) v1(86.01,33.84) v1(86.25,21.15) v1(86.31,42.45) v1(87.48,41.53) v1(87.99,46.76) v1(88.62,31.15) v1(89.23,48.32) v1(89.69,37.19) v1(90.22,42.57) v1(90.83,17.88) v1(90.93,14.57) v1(91.33,21.1) v1(92.38,32.81) v1(92.64,43.09) v1(93.48,46.55) v1(96.02,33.85) v1(96.11,17.88) v1(96.27,14.63) v1(96.32,42.46) v1(96.65,21.12) v1(97.49,41.55) v1(98.02,46.73) v1(98.63,31.16) v1(99.24,48.33) v1(99.7,37.2) v1(100.26,42.66) v1(102.23,34.58) v1(102.55,42.33) v1(102.84,31.33) v1(103.33,29.59) v1(104.97,22.76) v1(105.09,16.36) v1(105.75,50.76) v1(106.21,19.69) v1(107.72,39.37) v1(107.85,33.74) v1(108.77,46.96) v1(108.9,41.33) v1(110.03,22.73) v1(110.16,16.33) v1(110.87,29.95) v1(111.28,19.65) v1(113.28,51.11) v1(114.07,38.37) v1(114.38,46.12) v1(115.11,22.75) v1(115.24,16.35) v1(116.36,19.68) v1(120.22,22.72) v1(120.35,16.32) v1(121.1,46.11) v1(121.46,19.65) v1(121.71,42.86) v1(122.2,41.12) v1(122.37,30.94) v1(125.57,39.36) v1(126.59,50.9) v1(126.72,45.27) v1(128.59,35.56) v1(128.72,29.94) v1(129.39,18.31) v1(129.44,24.28) v1(129.51,20.7) v1(129.74,41.47) v1(132.13,18.77) v1(132.26,21.13) v1(132.41,15.24) v1(132.94,49.9) v1(133.11,39.72) v1(133.6,37.97) v1(134.21,34.72)
